# Altium PCB LimePSB-RPCM_1v4.PcbDoc (part 7 of 12) (continued)
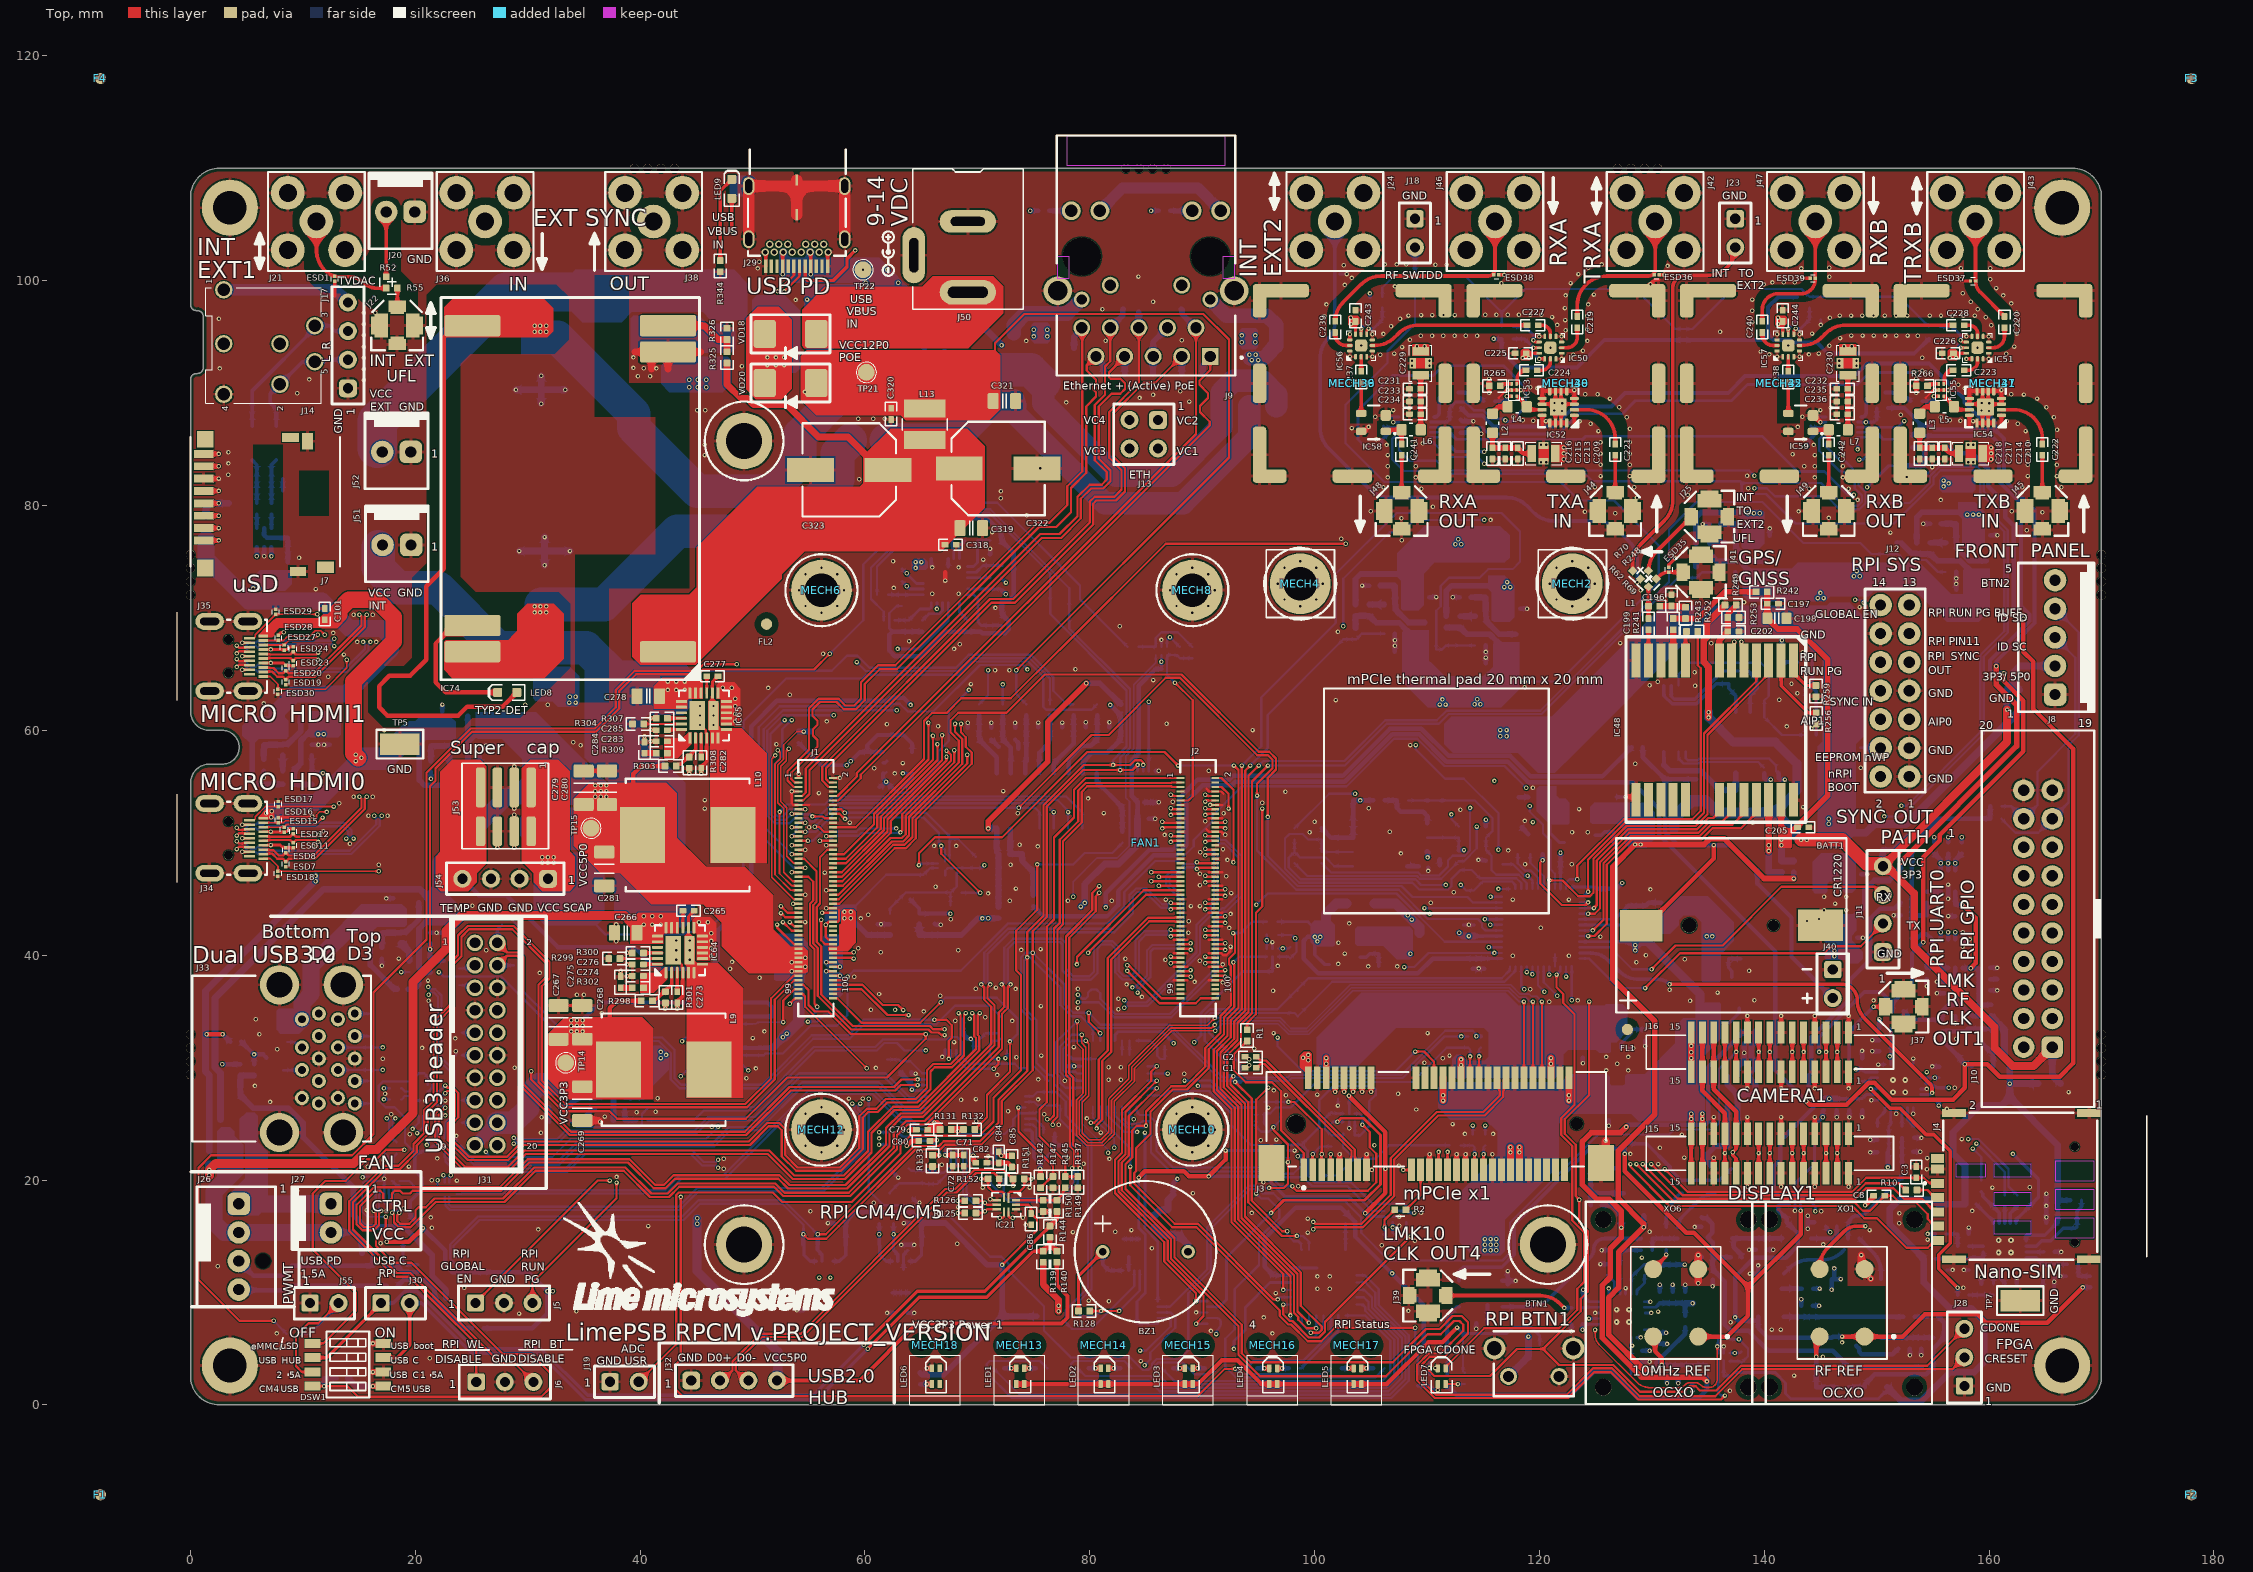
[diagram p0: Top view]
## Nets (pads, with @x,y where several pads share a name; then routed paths per layer and width w, separated by ;. In a path a pad name is that pad's centre, name@x,y a point inside that pad or via, vN(x,y) a via of type N, cw(c..) or ccw(c..) an arc to the next point about the centre after c; other vN are vias at no path point) (continued)
NetC147_2: C147.2 R193.1 R194.2 R208.2 R210.1 R213.1 TP13.1 | length 9.2
  Bottom w0.4: R193.1@153.14,42.489 C147.2@153.14,43.549 ; TP13.1@153.25,49.225 153.14,49.115 R208.2@153.14,47.675 R194.2@153.14,44.659 C147.2@153.14,43.549 ; R210.1@154.465,44.649 R213.1@154.465,43.549 C147.2@153.14,43.549
NetC150_2: C150.2 C153.1 IC37.18 R196.1 | length 7.8
  Bottom w0.3: IC37.18@163.3,14.1 164.199,14.1 164.699,14.6 165.5,14.6 166.6,15.7 167.675,15.7 167.775,15.8 C150.2@167.825,15.8 C153.1@167.825,16.8 167.825,17.225 168.225,17.625 R196.1@168.225,18.2
NetC152_1: C152.1 IC36.3 IC36.4 R193.2 | length 6.7
  Bottom w0.4: R193.2@153.14,41.489 153.589,41.489 153.95,41.85 154.475,41.85 154.85,41.475 154.85,40.35 154.474,39.974 C152.1@154.474,38.924 ; C152.1@154.424,38.974 C152.1@154.474,38.924 ; IC36.3@156.349,38.884 155.699,38.884 154.484,38.884 C152.1@154.474,38.874 C152.1@154.474,38.924
NetC154_1: C154.1 IC37.8 | length 1.3
  Bottom w0.3: C154.1@158.2,14.1 IC37.8@159.5,14.1
NetC154_2: C154.2 C155.1 R203.2 | length 2.1
  Bottom w0.3: C155.1@156.2,15.2 R203.2@157.2,15.2 C154.2@157.2,14.1
NetC158_2: C158.2 R199.1 R201.2 | length 2.1
  Bottom w0.325: R201.2@167.949,12.5 C158.2@167.949,11.45 R199.1@168.999,11.45
NetC159_1: C159.1 R207.2 | length 1.1
  Bottom w0.3: R207.2@164.799,10.4 C159.1@164.799,11.5
NetC159_2: C159.2 C160.2 IC37.20 R201.1 | length 3.9
  Bottom w0.3: IC37.20@163.3,13.1 164.199,13.1 164.649,12.65 164.699,12.65 164.849,12.5 C160.2@165.799,12.5 R201.1@166.949,12.5
NetC161_1: C161.1 IC37.4 | length 1.5
  Bottom w0.3: IC37.4@160.9,12.05 160.9,11.375 161.3,10.975 161.3,10.925 161.4,10.825 C161.1@161.45,10.825
NetC162_1: C162.1 IC37.12 R209.2 | length 3.3
  Bottom w0.3: R209.2@159.3,18.95 159.45,18.8 159.45,18.55 160.2,17.8 160.25,17.8 160.35,17.7 C162.1@160.35,17.65 ; C162.1@160.5,17.5 160.9,17.1 IC37.12@160.9,16.15
NetC164_2: C164.2 C165.2 C166.1 R218.2 XO6.4 | length 6.9
  Top w0.4: XO6.4@130.125,6.075 130.3,5.9 130.3,4.75 130.889,4.161 v1(130.889,3.551)
  Bottom w0.325: C166.1@131.35,3.55 131.353,3.547 C165.2@133.6,3.547 R218.2@134.9,3.547
  Bottom w0.4: v1(130.889,3.551) C166.1@131.35,3.55
NetC167_1: C167.1 IC39.21 | length 1.7
  Bottom w0.25: IC39.21@127.164,9.849 C167.1@127.164,11.524
NetC167_2: C167.2 C168.1 R220.2 | length 3.1
  Bottom w0.325: C167.2@127.164,12.524 R220.2@127.164,13.749 C168.1@129.049,13.749
NetC168_2: C168.2 R217.1 R226.1 R234.2 R237.1 | length 3.3
  Bottom w0.325: C168.2@130.05,13.75 R234.2@130.05,14.8 R226.1@131.275,14.8 R237.1@132.3,14.8
NetC169_2: C169.2 IC39.20 | length 1.9
  Bottom w0.25: C169.2@126.064,11.524 126.664,10.924 IC39.20@126.664,9.849
NetC172_2: C172.2 C173.2 R223.2 R227.1 XO7.5 XO8.4 | length 6
  Bottom w0.4: R227.1@124.55,17.775 C172.2@124.55,18.825 ; R223.2@124.55,20.875 C172.2@124.55,18.825 ; XO7.5@127.49,18.836 127.479,18.825 C172.2@124.55,18.825
NetC178_2: C178.2 C179.2 R235.2 XO9.9 | length 4.5
  Bottom w0.325: R235.2@111.8,4.8 C178.2@111.8,5.85 C179.2@111.8,6.85 111.8,7.85 112.675,8.725 XO9.9@112.85,8.725
NetC180_2: C180.2 XO9.7 | length 1.6
  Bottom w0.325: C180.2@115.375,7.275 XO9.7@115.375,8.9
NetC189_2: C189.2 C191.2 IC44.1 IC44.3 R236.2 R238.2 | length 12.5
  Bottom w0.5: IC44.1@136.7,29.225 136.7,28.525 137.625,27.6 ; R238.2@137.625,25.075 137.625,27.6 ; IC44.3@138.6,29.025 IC44.3@138.6,29.125 ; R236.2@139.2,33.225 C191.2@139.2,32.175 139.15,32.175 138.85,31.875 138.85,30.925 139.15,30.625 139.15,30.575 C189.2@139.2,30.575 139.2,30.025 138.6,29.425 IC44.3@138.6,29.225 IC44.3@138.6,29.125 ; 137.625,27.6 138.925,27.6 139.225,27.9 139.225,28.5 IC44.3@138.6,29.125
NetC190_2: C190.2 C192.2 IC44.5 R238.1 XO10.4 | length 7.2
  Bottom w0.5: XO10.4@135.6,21 134.95,21.65 134.95,22.325 135.65,23.025 C190.2@136.675,23.025 ; C190.2@136.7,23.025 IC44.5@136.7,26.625
NetC196_2: C196.2 L1.2 R243.1 | length 2.3
  Top w0.5: L1.2@130.7,71.05 132.9,71.05 R243.1@133,70.95
NetC199_2: C199.2 IC48.11 | length 2.7
  Top w0.325: IC48.11@129.7,66.225 C199.2@129.7,68.95
NetC204_1: C204.1 IC48.22 R258.1 R260.1 | length 8
  Top w0.6: v1(140.4,49.275) v1(140.4,49.775) IC48.22@140.4,53.825
  Bottom w0.6: R258.1@140.4,47.375 v1(140.4,49.275) v1(140.4,49.775) ; R258.1@140.425,47.375 R260.1@141.525,47.375
NetC209_3: C209.3 C213.2 C215.1 C216.2 L2.1 | length 5.1
  Top w0.4: L2.1@115.825,86.475 C216.2@115.825,85.137 C215.1@116.95,85.137 C213.2@118.075,85.137 118.075,85.087 118.125,85.037 118.175,85.037 118.575,84.637 C209.3@119.325,84.637
NetC210_3: C210.3 C214.2 C217.1 C218.2 L3.1 | length 5
  Top w0.4: L3.1@153.825,86.475 C218.2@153.825,85.137 C217.1@154.95,85.137 C214.2@156.075,85.137 C214.2@156.075,85.087 ; C214.2@156.175,85.037 156.575,84.637 C210.3@157.325,84.637
NetC219_2: C219.2 IC50.2 | length 2.9
  Top w0.325: IC50.2@121.875,94.05 IC50.2@121.975,94.05 122.436,94.05 ccw(c122.436,94.989) 123.375,94.989 C219.2@123.375,95.825
NetC220_2: C220.2 IC51.2 | length 2.8
  Top w0.325: IC51.2@159.875,94.05 IC51.2@159.975,94.05 160.375,94.05 ccw(c160.375,95.05) 161.375,95.05 C220.2@161.375,95.825
NetC221_1: C221.1 IC52.2 | length 5.6
  Top w0.3: IC52.2@123.1,88.525 IC52.2@123.475,88.525
  Top w0.325: IC52.2@123.475,88.525 124.2,88.525 cw(c124.2,85.985) 126.74,85.985 C221.1@126.74,85.475
NetC222_1: C222.1 IC54.2 | length 5.6
  Top w0.3: IC54.2@161.1,88.525 IC54.2@161.475,88.525
  Top w0.325: IC54.2@161.475,88.525 162.2,88.525 cw(c162.2,85.985) 164.74,85.985 C222.1@164.74,85.475
NetC223_1: C223.1 IC51.11 | length 1.9
  Top w0.325: C223.1@157.8,92.05 158.215,92.05 ccw(c158.215,92.81) 158.975,92.81 IC51.11@158.975,93.05 IC51.11@158.975,93.15
NetC223_2: C223.2 IC55.3 | length 1.7
  Top w0.325: IC55.3@156.025,90.825 156.025,91.275 cw(c156.8,91.275) C223.2@156.8,92.05
NetC224_1: C224.1 IC50.11 | length 1.9
  Top w0.325: C224.1@119.8,92.05 120.215,92.05 ccw(c120.215,92.81) 120.975,92.81 IC50.11@120.975,93.05 IC50.11@120.975,93.15
NetC224_2: C224.2 IC53.3 | length 1.7
  Top w0.325: IC53.3@118.025,90.825 118.025,91.275 cw(c118.8,91.275) C224.2@118.8,92.05
NetC227_1: C227.1 IC56.5 | length 14.4
  Top w0.325: IC56.5@105.04,94.243 IC56.5@105.14,94.243 105.344,94.243 ccw(c105.344,96.783) 106.144,94.373 ccw(c105.344,96.783) 107.14,94.987 107.459,95.306 cw(c109.255,93.51) 109.255,96.05 C227.1@118.904,96.05
NetC227_2: C227.2 IC50.5 | length 1.9
  Top w0.325: C227.2@119.8,96.05 120.007,96.05 120.215,96.05 cw(c120.215,95.29) 120.975,95.29 IC50.5@120.975,95.05 IC50.5@120.975,94.95
NetC228_1: C228.1 IC57.5 | length 14.3
  Top w0.325: IC57.5@143.04,94.243 143.344,94.243 ccw(c143.344,96.783) 144.144,94.373 ccw(c143.344,96.783) 145.14,94.987 145.459,95.306 cw(c147.255,93.51) 147.255,96.05 C228.1@156.8,96.05
NetC228_2: C228.2 IC51.5 | length 1.9
  Top w0.325: C228.2@157.8,96.05 158.007,96.05 158.215,96.05 cw(c158.215,95.29) 158.975,95.29 IC51.5@158.975,95.05 IC51.5@158.975,94.95
NetC229_3: C229.3 C231.2 C233.1 C234.2 L6.1 | length 4.9
  Top w0.4: L6.1@109.44,86.75 C234.2@109.44,88.138 C233.1@109.44,89.263 C231.2@109.44,90.388 C229.3@109.44,91.613
NetC230_3: C230.3 C232.2 C235.1 C236.2 L7.1 | length 4.9
  Top w0.4: L7.1@147.44,86.75 C236.2@147.44,88.138 C235.1@147.44,89.263 C232.2@147.44,90.388 C230.3@147.44,91.613
NetC237_1: C237.1 IC56.2 | length 1.4
  Top w0.325: C237.1@104.14,91.95 IC56.2@104.14,93.243 IC56.2@104.14,93.343
NetC237_2: C237.2 IC58.3 | length 2.7
  Top w0.325: IC58.3@104.14,88.2 C237.2@104.14,90.95
NetC238_1: C238.1 IC57.2 | length 1.4
  Top w0.325: C238.1@142.14,91.95 IC57.2@142.14,93.243 IC57.2@142.14,93.343
NetC238_2: C238.2 IC59.3 | length 2.7
  Top w0.325: IC59.3@142.14,88.2 C238.2@142.14,90.95
NetC239_2: C239.2 IC56.11 | length 2.2
  Top w0.325: C239.2@101.825,95.4 101.825,95.223 ccw(c102.805,95.223) 102.805,94.243 IC56.11@103.14,94.243 IC56.11@103.24,94.243
NetC240_2: C240.2 IC57.11 | length 2.2
  Top w0.325: C240.2@139.825,95.4 139.825,95.223 ccw(c140.805,95.223) 140.805,94.243 IC57.11@141.14,94.243 IC57.11@141.24,94.243
NetC241_1: C241.1 IC58.1 L6.2 | length 2.7
  Top w0.325: IC58.1@106.34,86.75 L6.2@107.74,86.75 C241.1@107.74,85.475
NetC242_1: C242.1 IC59.1 L7.2 | length 2.7
  Top w0.325: IC59.1@144.34,86.75 L7.2@145.74,86.75 C242.1@145.74,85.475
NetC257_1: C257.1 IC60.5 R284.1 R295.2 | length 6.4
  Bottom w0.5: R295.2@113.925,71.85 R284.1@115.175,71.85 ; R284.1@115.227,71.798 IC60.5@115.227,70.16 115.277,70.11 115.277,69.698 116.415,68.56 C257.1@117.875,68.56
NetC258_1: C258.1 IC61.5 R281.1 R296.2 | length 6.4
  Bottom w0.5: R296.2@105.848,72.89 R281.1@107.098,72.89 ; R281.1@107.15,72.838 IC61.5@107.15,71.2 107.2,71.15 107.2,70.738 108.338,69.6 C258.1@109.798,69.6
NetC259_1: C259.1 IC62.5 R282.1 R293.2 | length 6.4
  Bottom w0.5: R293.2@155.773,78.39 R282.1@157.023,78.39 ; R282.1@157.075,78.338 IC62.5@157.075,76.7 157.125,76.65 157.125,76.238 158.263,75.1 C259.1@159.723,75.1
NetC260_1: C260.1 IC63.5 R283.1 R294.2 | length 6.4
  Bottom w0.5: R294.2@136.135,78.363 R283.1@137.385,78.363 ; R283.1@137.437,78.31 IC63.5@137.437,76.672 137.487,76.622 137.487,76.21 138.625,75.072 C260.1@140.085,75.072
NetC265_1: C265.1 IC64.15 | length 1.5
  Top w0.25: IC64.15@43.8,42.45 C265.1@43.8,43.95
NetC265_2: C265.2 IC64.5 IC64.6 IC64.7 IC64.14 IC64.26 L9.1 | length 8
  Top w0.2: IC64.5@44.3,38.45 44.3,34.85 46.175,32.975
  Top w0.25: IC64.14@44.3,42.45 44.3,43.45 C265.2@44.8,43.95
  other v2: 44.4,39.6 44.4,40.45 44.4,41.3
NetC273_1: C273.1 IC64.3 | length 2.1
  Top w0.309: C273.1@43.3,36.75 IC64.3@43.3,38.45 IC64.3@43.3,38.85
NetC274_1: C274.1 IC64.1 R302.2 | length 3.7
  Top w0.2: C274.1@40.35,38.175 41.675,38.175 ; 41.157,36.75 41.157,37.657 41.675,38.175 ; IC64.1@42.3,38.45 42.025,38.175 41.675,38.175
NetC275_1: C275.1 R302.1 | length 1
  Top w0.5: C275.1@38.261,37.1 R302.1@39.3,37.1
NetC276_1: C276.1 IC64.24 | length 1.7
  Top w0.309: C276.1@40.25,39.2 IC64.24@41.9,39.2
NetC277_1: C277.1 IC65.15 | length 1.5
  Top w0.25: IC65.15@45.925,63.325 C277.1@45.925,64.825
NetC277_2: C277.2 IC65.5 IC65.6 IC65.7 IC65.14 IC65.26 L10.1 | length 8
  Top w0.2: IC65.5@46.425,59.325 46.425,55.725 48.3,53.85
  Top w0.25: IC65.14@46.425,63.325 46.425,64.325 C277.2@46.925,64.825
  other v2: 46.525,60.475 46.525,61.325 46.525,62.175
NetC282_1: C282.1 IC65.3 | length 2.1
  Top w0.309: C282.1@45.425,57.625 IC65.3@45.425,59.325 IC65.3@45.425,59.725
NetC283_1: C283.1 IC65.1 R309.2 | length 3.7
  Top w0.2: C283.1@42.475,59.05 43.8,59.05 ; 43.282,57.625 43.282,58.532 43.8,59.05 ; IC65.1@44.425,59.325 44.15,59.05 43.8,59.05
NetC284_1: C284.1 R309.1 | length 1
  Top w0.5: C284.1@40.386,57.975 R309.1@41.425,57.975
NetC285_2: C285.2 IC65.24 | length 1.7
  Top w0.309: C285.2@42.375,60.075 IC65.24@44.025,60.075
NetC287_2: C287.2 FR16.2 IC66.5 IC66.8
NetC296_2: C296.2 FR18.2 IC71.5 IC71.8 | length 4.1
  Bottom w0.2: IC71.8@122.2,51.975 C296.2@122.2,53.375
  Bottom w0.3: 120.925,51.95 120.925,50.9 121.8,50.025 IC71.5@122.2,50.025
NetC299_1: C299.1 L11.2 R323.1 | length 2.5
  Bottom w0.325: C299.1@112.765,90.061 113.213,90.061 cw(c113.213,87.521) 115.009,89.317 L11.2@115.043,89.283
NetC299_2: C299.2 IC72.7 | length 2.8
  Bottom w0.325: 110.654,87.875 ccw(c110.654,88.296) 111.075,88.296 111.075,89.371 cw(c111.765,89.371) C299.2@111.765,90.061
NetC300_2: C300.2 IC72.4 | length 1.4
  Bottom w0.25: C300.2@106.14,87.086 106.251,86.975 IC72.4@107.5,86.975
NetC306_2: C306.2 C307.2 C308.2 FR21.1 IC72.3 IC72.8 IC72.11 | length 46.5
  L4 w0.25: v1(115.1,84.8) 116.976,86.676 v1(116.976,87.599)
  Bottom w0.25: IC72.3@107.5,86.525 106.704,86.525 C306.2@106.14,85.961 106.1,85.961 105.975,85.836 105.975,85.55 105.7,85.275 104.45,85.275 103.85,85.875 103.85,88.475 106.95,91.575 110.55,91.575 111.413,92.438 116.789,92.438 118.775,90.451 118.775,88.8 118.1,88.125 118.1,87.724 117.851,87.475 117.1,87.475 116.85,87.725 115.791,87.725 115.041,88.475 114.175,88.475 113.439,89.211 112.54,89.211 FR21.1@112.015,88.686 ; IC72.11@110.3,86.075 111.276,86.075 111.84,85.511 111.84,85.461 111.965,85.336 C307.2@112.015,85.336 112.065,85.336 112.19,85.211 112.19,85.161 112.551,84.8 v1(115.1,84.8) ; IC72.8@110.3,87.425 111.804,87.425 C308.2@112.015,87.636
  Bottom w0.3: C308.2@112.015,87.636 FR21.1@112.015,88.686
NetC310_1: C310.1 IC72.6 | length 1.6
  Bottom w0.25: C310.1@106.14,88.361 106.19,88.361 106.315,88.236 106.315,88.186 106.626,87.875 IC72.6@107.5,87.875
NetC311_1: C311.1 L12.2 R324.1 | length 2.5
  Bottom w0.325: C311.1@150.765,90.061 151.213,90.061 cw(c151.213,87.521) 153.009,89.317 L12.2@153.043,89.283
NetC311_2: C311.2 IC73.7 | length 2.8
  Bottom w0.325: 148.654,87.875 ccw(c148.654,88.296) 149.075,88.296 149.075,89.371 cw(c149.765,89.371) C311.2@149.765,90.061
NetC312_2: C312.2 IC73.4 | length 1.4
  Bottom w0.25: C312.2@144.14,87.086 144.251,86.975 IC73.4@145.5,86.975
NetC315_2: C315.2 C316.2 C317.2 FR23.1 IC73.3 IC73.8 IC73.11 | length 22.9
  L4 w0.25: v1(143.7,85.275) 144,85.575 144,87.275 144.7,87.975 146.025,87.975 146.55,87.45 146.55,85.275 146.775,85.05 147.35,85.05 147.925,85.625 148.775,85.625 ; v1(148.45,84.1) 148.775,84.425 148.775,85.625 ; v1(149.052,87.425) 149.052,85.902 148.775,85.625
  Bottom w0.25: v1(143.7,85.275) 143.975,85.55 143.975,85.836 144.1,85.961 C315.2@144.14,85.961 144.704,86.525 IC73.3@145.5,86.525 ; IC73.11@148.3,86.075 149.276,86.075 149.84,85.511 149.84,85.461 C316.2@149.965,85.336 ; IC73.8@148.3,87.425 v1(149.052,87.425) 149.804,87.425 C317.2@150.015,87.636 ; v1(148.45,84.1) 148.779,84.1 149.84,85.161 149.84,85.211 C316.2@149.965,85.336 ; C316.2@150.015,85.336 C316.2@149.965,85.336
  Bottom w0.3: C317.2@150.015,87.636 FR23.1@150.015,88.686
NetC324_1: C324.1 IC73.6 | length 1.6
  Bottom w0.25: C324.1@144.14,88.361 144.19,88.361 144.315,88.236 144.315,88.186 144.626,87.875 IC73.6@145.5,87.875
NetC326_1: C326.1 D3.A IC75.2 IC75.4 R331.1 R332.1 R333.2 | length 41.8
  L3 w0.2: v1(72.15,94.275) 72.536,93.889 v1(72.536,73.15)
  Bottom w0.2: R332.1@72.116,73.57 v1(72.536,73.15)
  Bottom w0.4: IC75.4@58.245,93.425 58.259,93.439 58.259,93.934 59,94.675 60.45,94.675 60.747,94.378 ; IC75.2@60.747,93.393 60.747,94.378 ; R333.2@65.325,93.95 64.95,94.325 64.95,95.075 ; D3.A@67.15,97.025 67.15,96.025 66.575,95.45 R331.1@65.325,95.45 64.95,95.075 ; 60.747,94.378 61.443,95.075 C326.1@63.775,95.075 64.95,95.075
  Bottom w0.6: D3.A@67.15,97.025 69.4,97.025 v1(72.15,94.275)
NetC330_2: C330.2 IC76.24 | length 1.8
  Bottom w0.25: IC76.24@68.4,75.291 68.4,76.404 68.716,76.72 68.766,76.72 68.891,76.845 C330.2@68.891,76.895
NetD3_C: D3.C IC75.1 IC75.3 R333.1 | length 9.2
  Bottom w0.4: IC75.3@59.515,93.425 59.515,92.935 60.25,92.2 61.352,92.2 62.102,92.95 R333.1@65.325,92.95 66.375,92.95 66.74,93.315 66.74,93.47 66.995,93.725 D3.C@67.15,93.725
NetESD35_1: ESD35.1 J41.1 R248.1 | length 2.6
  Top w0.325: R248.1@130.407,73.482 130.646,73.721 cw(c131.5,72.868) ESD35.1@131.5,74.075 J41.1@132.775,74.075
NetF9_2: F9.2 VD18.K VD19.K VD20.K
  other v1: 51.325,92.5 52.075,92.5 52.825,92.5 51.325,93.175 52.075,93.175 52.825,93.175
NetF10_2: F10.2 R305.1 R306.1 VD22.K
NetFR4_2: FR4.2 R176.1 R182.2 R183.1 R188.1 | length 13.5
  Bottom w0.4: R176.1@147.525,1.575 FR4.2@148.95,1.575 148.95,1.85 148.975,1.85 149.15,2.025 149.15,2.05 149.825,2.725 154.4,2.725 R188.1@155.025,3.35 155.025,5 R182.2@156.015,5.99 156.015,7.31 R183.1@155.5,7.825
NetFR9_2: FR9.2 R218.1 R227.2 R231.1 R236.1 | length 82.4
  Top w0.5: v1(127.725,24.725) 127.225,24.225 124.625,24.225 123.825,23.425 123.825,19.575 125.125,18.275 126.225,18.275 127.274,17.226 v1(127.274,15.775) 127.274,14.874 126.3,13.9 126.3,11.35 125.575,10.625 125.575,5.975 129.086,2.464 134.521,2.464 v1(134.899,2.086)
  Bottom w0.4: R231.1@111.8,1.7 112.6,0.9 122.8,0.9 124.825,2.925 126.425,2.925 128.725,0.625 134.2,0.625 134.9,1.325 R218.1@134.9,2.547 ; R227.2@125.55,17.775 125.557,17.768 126.407,17.768 127.275,16.9 FR9.2@127.275,16.8 FR9.2@127.275,16.65 ; v1(127.725,24.725) 127.9,24.9 134.725,24.9 135,25.175 135,30.025 R236.1@138.2,33.225
  Bottom w0.5: v1(127.274,15.775) FR9.2@127.274,16.649
NetFR15_1: FR15.1 L8.1 R297.1
NetIC4_4: IC4.4 R25.2 | length 1.3
  Bottom w0.5: R25.2@8.2,56.438 IC4.4@8.2,57.775
NetIC5_4: IC5.4 R40.1 | length 1.2
  Bottom w0.325: IC5.4@5.9,77.975 R40.1@5.9,79.225
NetIC5_6: IC5.6 R35.1 | length 1.3
  Bottom w0.325: IC5.6@7.2,77.975 R35.1@7.2,79.225
NetIC13_7: IC13.7 R76.2 | length 3.2
  Bottom w0.3: R76.2@18.875,14.5 18.9,14.475 18.9,12.7 19.15,12.45 IC13.7@20.2,12.45
NetIC17_4: IC17.4 R102.2 | length 1.4
  Bottom w0.3: R102.2@141.575,66.075 142.959,66.075 IC17.4@142.965,66.08
NetIC19_1: IC19.1 R122.1 R124.1 | length 5.4
  Bottom w0.4: R124.1@106.225,53.775 R122.1@107.325,53.775 107.325,53.1 107.675,52.75 109.666,52.75 110.025,52.391 IC19.1@110.025,51.73
NetIC20_44: IC20.44 R129.2 | length 2.5
  Bottom w0.2: IC20.44@74.25,25.45 75.15,25.45 75.875,24.725 R129.2@75.875,24.175
NetIC20_45: IC20.45 R134.1 | length 2.9
  Bottom w0.2: IC20.45@74.25,24.95 74.9,24.95 75.25,24.6 75.25,23.7 R134.1@75.875,23.075
NetIC20_63: IC20.63 R133.1 | length 1.2
  Top w0.3: R133.1@66.012,22.212 66.613,22.212 v1(66.625,22.225)
  Bottom w0.2: v1(66.625,22.225) IC20.63@66.625,22.825
NetIC21_10: IC21.10 R145.1 R149.2 R150.1 | length 5
  Top w0.2: IC21.10@73.425,18.2 R149.2@77,18.2 ; R149.2@77.075,18.2 77.625,18.75 77.625,19.106 R145.1@77.825,19.306
NetIC24_3: IC24.3 R156.1 R157.1 | length 2.1
  Bottom w0.4: IC24.3@38.625,26.387 R156.1@38.625,25.329 R157.1@39.666,25.329
NetIC24_4: IC24.4 R160.1 | length 1.7
  Bottom w0.4: R160.1@34.7,25.375 34.8,25.475 34.913,25.475 35.825,26.387 IC24.4@36.025,26.387
NetIC25_3: IC25.3 R164.1 R165.1 R167.1 | length 100.2
  Top w0.2: v1(21.313,40.525) 21.313,55.038 21.785,55.51 21.785,56.611 25.049,59.875 36.075,59.875 38.15,61.95 38.15,63.5 39.65,65 45.174,65 45.599,65.425 55.475,65.425 v1(56.875,66.825)
  Bottom w0.2: v1(56.875,66.825) 59.85,69.8 59.85,74.75 65.35,80.25 71.775,80.25 79.125,72.9 79.125,71.675 R167.1@83.35,67.45
  Bottom w0.4: IC25.3@21.313,41.05 v1(21.313,40.525) R164.1@21.313,39.5 21.926,39.5 R165.1@22.538,39.5
NetIC25_4: IC25.4 R169.1 | length 2
  Bottom w0.6: IC25.4@18.713,41.05 18.913,41.05 18.913,40.85 19.463,40.3 R169.1@19.463,39.5
NetIC28_3: IC28.3 R171.1 | length 1.3
  Bottom w0.5: R171.1@25.675,56.338 IC28.3@25.675,57.675
NetIC28_4: IC28.4 R173.2 | length 1.3
  Bottom w0.5: R173.2@23.075,56.338 IC28.4@23.075,57.675
NetIC31_24: IC31.24 R177.1 | length 2
  Bottom w0.25: R177.1@150.075,24.75 150.075,25.425 150.75,26.1 IC31.24@150.75,26.425
NetIC37_11: IC37.11 R200.1 | length 2.3
  Bottom w0.3: R200.1@158.864,17.84 160.4,16.304 IC37.11@160.4,16.15
NetIC37_13: IC37.13 R211.2 | length 1.5
  Bottom w0.3: IC37.13@161.4,16.15 R211.2@161.4,17.65
NetIC37_14: IC37.14 R212.2 | length 1.7
  Bottom w0.3: IC37.14@161.9,16.15 161.9,17.05 R212.2@162.5,17.65
NetIC37_19: IC37.19 R206.1 | length 1.6
  Bottom w0.3: IC37.19@163.3,13.6 R206.1@164.849,13.6 R206.1@164.864,13.615
NetIC38_6: IC38.6 R210.2 | length 1.2
  Bottom w0.4: R210.2@154.465,45.649 IC38.6@155.699,45.649
NetIC39_24: IC39.24 R219.1 | length 2
  Bottom w0.25: IC39.24@128.664,9.849 128.664,10.174 129.339,10.849 R219.1@129.339,11.524
NetIC48_1: IC48.1 R259.2 | length 3.6
  Top w0.3: IC48.1@142.6,66.225 142.6,65.1 143.7,64 R259.2@144.6,64
NetIC48_2: IC48.2 R256.2 | length 6.4
  Top w0.3: IC48.2@141.5,66.225 141.5,63.975 143.9,61.575 R256.2@144.625,61.575
NetIC48_8: IC48.8 R252.2 | length 2.6
  Top w0.325: IC48.8@133,66.225 133,68.8 R252.2@133.075,68.8
NetIC52_11: IC52.11 IC53.1 L4.2 | length 3.1
  Top w0.325: IC53.1@118.025,89.725 118.575,89.175 118.575,89.1 L4.2@118.875,88.8 119.15,88.525 IC52.11@119.915,88.525 ; IC52.11@119.915,88.525 IC52.11@120.25,88.525 IC52.11@119.915,88.525
NetIC53_4: IC53.4 R265.2 | length 1
  Top w0.325: R265.2@116.525,90.65 116.7,90.825 IC53.4@117.475,90.825
NetIC54_11: IC54.11 IC55.1 L5.2 | length 3.4
  Top w0.325: IC55.1@156.025,89.725 156.575,89.175 156.575,89.1 L5.2@156.875,88.8 157.15,88.525 IC54.11@157.915,88.525 ; IC54.11@157.915,88.525 IC54.11@158.25,88.525 ; IC54.11@157.915,88.525 IC54.11@158.25,88.525 ; IC54.11@157.915,88.525 IC54.11@158.25,88.525
NetIC55_4: IC55.4 R266.2 | length 1
  Top w0.325: R266.2@154.525,90.65 154.7,90.825 IC55.4@155.475,90.825
NetIC60_4: IC60.4 R289.2 | length 1.3
  Bottom w0.5: R289.2@112.94,70.16 IC60.4@114.277,70.16
NetIC61_4: IC61.4 R290.2 | length 1.3
  Bottom w0.5: R290.2@104.863,71.2 IC61.4@106.2,71.2
NetIC62_4: IC62.4 R291.2 | length 1.3
  Bottom w0.5: R291.2@154.788,76.7 IC62.4@156.125,76.7
NetIC63_4: IC63.4 R292.2 | length 1.3
  Bottom w0.5: R292.2@135.15,76.672 IC63.4@136.487,76.672
NetIC64_2: IC64.2 R298.2 R301.2 | length 4.7
  Top w0.309: R298.2@41.084,35.959 41.218,36.093 41.443,36.093 42.052,36.702 42.089,36.739 R301.2@42.125,36.775 ; R301.2@42.004,36.604 R301.2@42.077,36.677 ; R301.2@42.152,36.752 42.8,37.4 42.8,37.625 ; IC64.2@42.8,38.85 IC64.2@42.8,38.45 ; 42.8,37.625 IC64.2@42.8,38.45 ; 42.8,37.625 IC64.2@42.8,38.45
NetIC64_22: IC64.22 R300.1 | length 1.6
  Top w0.309: R300.1@40.3,40.2 IC64.22@41.55,40.2 IC64.22@41.9,40.2
NetIC64_23: IC64.23 R299.1 | length 3.4
  Top w0.2: R299.1@38.2,39.7 IC64.23@41.55,39.7
NetIC65_2: IC65.2 R303.1 R308.2 | length 4.7
  Top w0.309: R303.1@43.209,56.834 43.343,56.968 43.568,56.968 44.177,57.577 44.214,57.614 R308.2@44.25,57.65 ; R308.2@44.13,57.479 R308.2@44.202,57.552 ; R308.2@44.277,57.627 44.925,58.275 44.925,58.5 ; IC65.2@44.925,59.725 IC65.2@44.925,59.325 ; 44.925,58.5 IC65.2@44.925,59.325 ; 44.925,58.5 IC65.2@44.925,59.325
NetIC65_22: IC65.22 R307.1 | length 1.6
  Top w0.309: R307.1@42.425,61.075 IC65.22@43.675,61.075 IC65.22@44.025,61.075
NetIC65_23: IC65.23 R304.1 | length 3.4
  Top w0.2: R304.1@40.325,60.575 IC65.23@43.675,60.575
NetIC66_3: IC66.3 R312.1 R316.1 | length 3.2
  Bottom w0.3: R316.1@143.8,41.55 R312.1@144.9,41.55 145.05,41.7 145.05,41.9 145.975,42.825 IC66.3@145.975,43.225
NetIC67_3: IC67.3 R313.2 R318.2 | length 2.9
  Bottom w0.3: IC67.3@137.125,38.025 137.125,38.575 136.825,38.875 R313.2@136.825,39.675 R318.2@137.925,39.675
NetIC68_3: IC68.3 R314.1 R317.1 | length 2.9
  Bottom w0.3: IC68.3@104.05,39.825 104.6,39.825 104.9,40.125 R314.1@105.7,40.125 R317.1@105.7,39.025
NetIC69_2: IC69.2 R311.2 R315.1 | length 2.9
  Bottom w0.4: R311.2@159.1,32.45 160.375,31.175 IC69.2@160.375,30.125
NetIC70_3: IC70.3 R319.1 R321.1 | length 3.2
  Bottom w0.3: IC70.3@127.25,31.725 127.25,32.125 128.175,33.05 128.175,33.25 R319.1@128.325,33.4 R321.1@129.425,33.4
NetIC71_3: IC71.3 R320.1 R322.1 | length 2.9
  Bottom w0.3: IC71.3@124.95,50.675 125.5,50.675 125.8,50.975 R320.1@126.6,50.975 R322.1@126.6,49.875
NetIC74_3: IC74.3 R325.2 R326.1 | length 6.9
  Top w0.6: IC74.3@42.475,96.005 45.695,96.005 46.925,94.775 R326.1@47.725,94.775 R325.2@47.725,93.675
NetIC74_5: IC74.5 LED8.K | length 13.3
  Top w0.4: IC74.5@25.075,69.335 24.315,68.575 22.65,68.575 21.8,67.725 21.8,64.275 22.7,63.375 LED8.K@27.325,63.375
NetIC76_9: IC76.9 LED9.A | length 53.3
  Top w0.3: v1(48.15,104.45) LED9.A@48.15,107.325
  L3 w0.25: v1(48.15,104.45) 48.15,101.975 58.5,91.625 58.5,84.7 60.575,82.625 60.575,72.225 62.9,69.9 v1(62.9,67.25)
  Bottom w0.25: v1(62.9,67.25) 64.9,67.25 67.4,69.75 IC76.9@67.4,71.359
NetIC76_10: IC76.10 R350.2 | length 2.8
  Bottom w0.25: R350.2@65.116,69.795 65.691,70.37 66.591,70.37 66.9,70.679 IC76.10@66.9,71.359
NetJ3_1: J3.1 R1.2 | length 15.9
  Top w0.2: R1.2@94,32.375 92.8,31.175 92.8,29.775 93.875,28.7 96.216,28.7 97.025,27.891 97.025,24.4 99.025,22.4 J3.1@99.025,20.9
NetJ3_19: J3.19 R2.2 | length 4.1
  Top w0.2: R2.2@108.125,17.35 109.425,18.65 J3.19@109.425,20.9
NetJ9_16: J9.16 R31.1 | length 2
  Bottom w0.4: R31.1@87.15,106.225 J9.16@89.1,106.225
NetJ9_18: J9.18 R32.1 | length 2
  Bottom w0.4: R32.1@76.4,106.225 J9.18@78.36,106.225
NetJ26_3: J26.3 R78.2 R80.1 | length 14
  Bottom w0.4: J26.3@4.287,12.795 5.582,11.5 8.15,11.5 9.025,12.375 R80.1@16.25,12.375 R78.2@16.25,13.475
NetJ26_4: J26.4 R83.1 | length 13.4
  Bottom w0.4: J26.4@4.287,10.252 4.339,10.2 8.475,10.2 8.875,10.6 R83.1@17.45,10.6
NetJ37_1: J37.1 R178.1 | length 8.4
  Top w0.325: v1(149.725,35.425) J37.1@150.7,35.425
  Bottom w0.325: R178.1@147.575,28.75 147.575,32.223 cw(c150.115,32.223) 148.319,34.019 v1(149.725,35.425)
NetJ39_1: J39.1 R228.1 | length 11.4
  Top w0.325: J39.1@111.775,9.725 120.048,9.725 cw(c120.048,7.185) 121.844,8.981 v1(122.2,8.625)
  Bottom w0.325: v1(122.2,8.625) R228.1@122.864,8.624
NetL2_2: L2.2 L4.1 | length 1.7
  Top w0.4: L2.2@115.825,88.175 115.825,88.275 116.35,88.8 L4.1@117.175,88.8
NetL3_2: L3.2 L5.1 | length 1.7
  Top w0.4: L3.2@153.825,88.175 153.825,88.275 154.35,88.8 L5.1@155.175,88.8
NetLED1_3: LED1.3 R71.2 | length 1.1
  Top w0.4: v1(73.01,3.253) LED1.3@73.46,3.253
  Bottom w0.4: R71.2@72.41,3.253 v1(73.01,3.253)
NetLED1_4: LED1.4 R72.2 | length 1.1
  Top w0.4: LED1.4@74.16,3.253 v1(74.61,3.253)
  Bottom w0.4: v1(74.61,3.253) R72.2@75.21,3.253
NetLED2_3: LED2.3 R75.2 | length 1.1
  Top w0.4: v1(80.51,3.253) LED2.3@80.96,3.253
  Bottom w0.4: R75.2@79.91,3.253 v1(80.51,3.253)
NetLED2_4: LED2.4 R77.2 | length 1.1
  Top w0.4: LED2.4@81.66,3.253 v1(82.11,3.253)
  Bottom w0.4: v1(82.11,3.253) R77.2@82.71,3.253
NetLED3_3: LED3.3 R79.2 | length 1.1
  Top w0.4: v1(88.01,3.253) LED3.3@88.46,3.253
  Bottom w0.4: R79.2@87.41,3.253 v1(88.01,3.253)
NetLED3_4: LED3.4 R81.2 | length 1.1
  Top w0.4: LED3.4@89.16,3.253 v1(89.61,3.253)
  Bottom w0.4: v1(89.61,3.253) R81.2@90.21,3.253
NetLED4_3: LED4.3 R85.2 | length 1.1
  Top w0.4: v1(95.51,3.25) LED4.3@95.96,3.25
  Bottom w0.4: R85.2@94.91,3.25 v1(95.51,3.25)
NetLED4_4: LED4.4 R88.2 | length 1.1
  Top w0.4: LED4.4@96.66,3.25 v1(97.11,3.25)
  Bottom w0.4: v1(97.11,3.25) R88.2@97.71,3.25
NetLED5_3: LED5.3 R91.2 | length 1.1
  Top w0.4: v1(103.01,3.25) LED5.3@103.46,3.25
  Bottom w0.4: R91.2@102.41,3.25 v1(103.01,3.25)
NetLED5_4: LED5.4 R95.2 | length 1.1
  Top w0.4: LED5.4@104.16,3.25 v1(104.61,3.25)
  Bottom w0.4: v1(104.61,3.25) R95.2@105.21,3.25
NetLED6_1: LED6.1 R99.1 | length 1.1
  Top w0.4: v1(65.51,1.853) LED6.1@65.96,1.853
  Bottom w0.4: R99.1@64.91,1.853 v1(65.51,1.853)
NetLED7_1: LED7.1 R104.2 R108.2 | length 2.5
  Top w0.3: v1(110.96,1.31) LED7.1@110.96,1.85
  Bottom w0.3: R104.2@109.175,1.7 R108.2@110.275,1.7 110.653,1.322 110.948,1.322 v1(110.96,1.31)
NetLED7_2: LED7.2 R110.1 | length 1.7
  Top w0.2: LED7.2@111.66,1.85 v1(112.75,1.85)
  Bottom w0.2: v1(112.75,1.85) R110.1@113.35,1.85
NetLED9_K: LED9.K R344.1 | length 7.6
  Top w0.3: R344.1@47.125,101.8 47.125,108 LED9.K@48.15,109.025
NetR93_2: R93.2 R97.2 R98.2 VT2.G | length 32.4
  Bottom w0.5: R93.2@5.65,29.3 R97.2@4.425,29.3 VT2.G@4.425,27.75 4.425,27.55 5.575,26.4 8.71,26.4 10.01,25.1 10.01,23.815 14.5,19.325 14.5,16.875 15.55,15.825 18.979,15.825 21.5,13.304 21.5,11.45 22.7,10.25 R98.2@22.7,9.5
NetR175_2: R175.2 XO1.3 | length 6.7
  Top w0.325: XO1.3@144.925,12.075 144.925,12.198 cw(c147.465,12.198) 145.669,13.994 147.1,15.425 cw(c148.247,14.278) 148.247,15.9 v1(149,15.9)
  Bottom w0.325: R175.2@148.45,15.9 v1(149,15.9)
NetR180_1: R180.1 XO2.6 | length 4.4
  Bottom w0.4: XO2.6@148.189,5.24 148.439,4.99 148.439,4.711 148.65,4.5 151.425,4.5 R180.1@151.915,4.99
NetR181_2: R181.2 XO2.4 XO3.3 | length 4.3
  Bottom w0.325: R181.2@148.45,14.8 149.645,13.605 cw(c147.849,11.809) 150.389,11.809 XO2.4@150.389,11.19